# KiCad board Dashboard.kicad_pcb (continued)
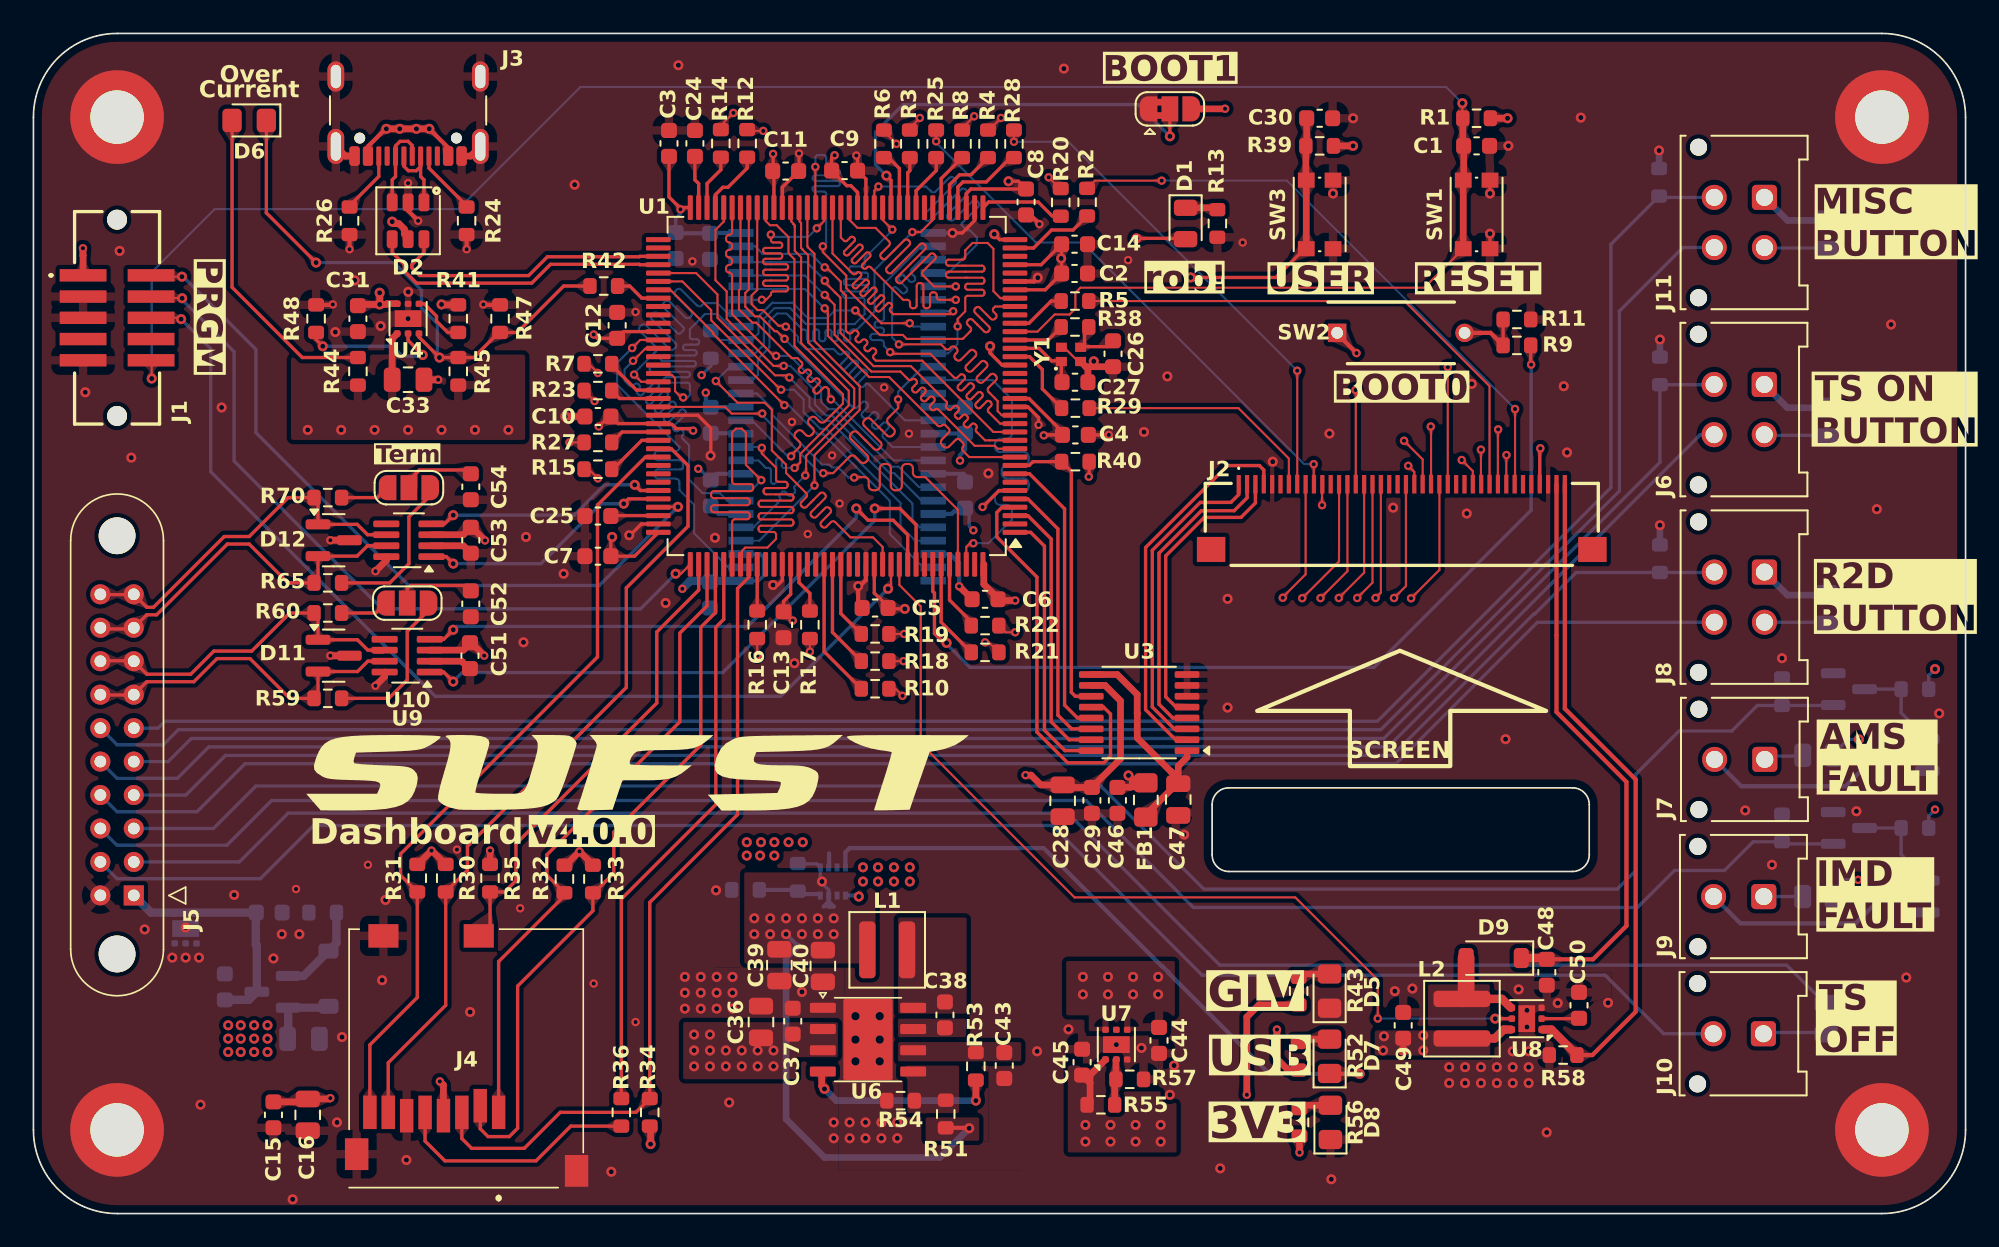
[diagram p0: board, top side]
## Routing (per net, layer and track width the routed paths; a pad name or vN(x,y) marks a point on that pad's centre or on a via; arc(x,y) is an arc through that point) (continued)
/MCU/RAM_D10: length 24.5
  Top w0.125: v2(47.68,48.67) 47.55,48.8 47.55,49.28 47.45,49.37 arc(47.35,49.42) 47.24,49.37 46.93,49.06 arc(46.82,49.01) 46.72,49.06 46.66,49.11 arc(46.62,49.21) 46.66,49.32 46.98,49.64 arc(47.02,49.74) 46.98,49.84 46.93,49.9 arc(46.82,49.94) 46.72,49.9 46.58,49.76 arc(46.47,49.71) 46.37,49.76 46.32,49.81 arc(46.27,49.91) 46.32,50.02 46.46,50.16 arc(46.5,50.26) 46.46,50.37 46.41,50.42 arc(46.3,50.46) 46.2,50.42 46.06,50.28 arc(45.95,50.24) 45.85,50.28 45.79,50.33 arc(45.75,50.44) 45.79,50.54 45.93,50.68 arc(45.98,50.79) 45.93,50.89 45.68,51.14 45.33,51.14 43.22,53.26 42.98,53.26 42.18,54.06 42.18,55.19 42.28,55.28 U1.66
  Bottom w0.125: U2.45 51.43,45.02 47.78,48.67 v2(47.68,48.67)
/MCU/RAM_D11: length 24.5
  Top w0.125: U1.67 41.78,58.69 arc(41.72,58.56) 41.59,58.51 41.59,58.51 arc(41.46,58.46) 41.41,58.33 41.41,58.24 arc(41.46,58.11) 41.59,58.06 41.59,58.06 arc(41.72,58.01) 41.78,57.88 41.78,57.79 arc(41.72,57.66) 41.59,57.61 41.59,57.61 arc(41.46,57.56) 41.41,57.43 41.41,57.34 arc(41.46,57.21) 41.59,57.16 41.59,57.16 arc(41.72,57.11) 41.78,56.98 41.78,56.89 arc(41.72,56.76) 41.59,56.71 41.59,56.71 arc(41.46,56.66) 41.41,56.53 41.41,56.44 arc(41.46,56.31) 41.59,56.26 41.59,56.26 arc(41.72,56.21) 41.78,56.08 41.78,53.77 44.27,51.27 v2(44.41,51.27)
  Bottom w0.125: v2(44.41,51.27) 45.24,51.27 47.1,49.4 47.1,49.26 47.1,49.25 47.1,48.52 47.53,48.09 47.9,48.09 51.34,44.65 51.73,44.65 52.95,43.42 U2.47
/MCU/RAM_D12: length 24.5
  Top w0.125: v2(44.86,50.67) 44.25,50.67 41.45,53.47 41.45,55.12 40.78,55.8 40.78,58.8 41.28,59.3 U1.68
  Bottom w0.125: U2.48 53.1,42.62 51.45,44.27 51.19,44.27 47.74,47.72 47.38,47.72 46.72,48.37 46.72,49.2 45.25,50.67 v2(44.86,50.67)
/MCU/RAM_D13: length 24.4
  Top w0.125: U1.77 39.62,56.22 40.9,54.95 40.9,53.55 44.34,50.11 45.07,50.11 v2(45.2,49.98)
  Bottom w0.125: U2.50 53,41.02 52.55,41.47 52.55,42.45 47.61,47.39 47.24,47.39 47.01,47.62 47,47.62 46.45,48.17 46.45,48.18 46.4,48.23 46.4,48.78 v2(45.2,49.98)
/MCU/RAM_D14: length 24.5
  Top w0.125: U1.78 38.8,55.72 40.52,54 40.52,53.4 44.67,49.25 v2(44.7,49.25)
  Bottom w0.125: v2(44.7,49.25) 45.47,49.25 46.05,48.67 46.05,47.91 47.04,46.91 47.41,46.91 51.85,42.48 51.85,41.11 52.73,40.22 U2.51
/MCU/RAM_D15: length 24.5
  Top w0.125: v2(44.9,48.32) 40.65,52.57 40.65,52.65 38.08,55.22 U1.79
  Bottom w0.125: v2(44.9,48.32) 45.15,48.32 46.89,46.59 47.23,46.59 51.2,42.62 51.2,40.62 53.2,38.62 U2.53
/MCU/RAM_NBL0: length 25.2
  Top w0.125: v2(49.07,44) 49.1,44.03 49.68,44.03 arc(49.87,43.95) 49.95,43.76 49.95,43.51 arc(50.02,43.32) 50.21,43.24 50.34,43.24 arc(50.53,43.32) 50.61,43.51 50.61,44.55 arc(50.68,44.74) 50.87,44.81 51,44.81 arc(51.19,44.74) 51.27,44.55 51.27,43.51 arc(51.34,43.32) 51.53,43.24 51.66,43.24 arc(51.85,43.32) 51.93,43.51 51.93,44.55 arc(52,44.74) 52.19,44.81 52.32,44.81 arc(52.51,44.74) 52.59,44.55 52.59,44.29 arc(52.66,44.1) 52.85,44.03 53.32,44.03 55.28,42.07 U1.141
  Bottom w0.125: v2(49.07,44) 48.73,44 48.11,44.61 47.74,44.61 47.57,44.77 47.15,44.77 44.19,47.73 44.19,48.09 43.26,49.02 U2.15 42.95,49.02
/MCU/RAM_NBL1: length 24.5
  Top w0.125: U1.142 55.78,39.85 56,40.07 v2(56.2,40.07)
  Bottom w0.125: v2(56.2,40.07) 57.1,40.07 58.5,41.47 58.5,42.05 arc(58.41,42.27) 58.18,42.37 57.81,42.37 arc(57.59,42.46) 57.49,42.68 57.49,42.84 arc(57.59,43.06) 57.81,43.16 59.19,43.16 arc(59.41,43.25) 59.51,43.47 59.51,43.63 arc(59.41,43.85) 59.19,43.95 58.2,43.95 arc(57.99,44.03) 57.9,44.25 57.9,44.44 arc(57.99,44.65) 58.2,44.74 59.19,44.74 arc(59.41,44.83) 59.51,45.05 59.51,45.21 arc(59.41,45.43) 59.19,45.53 57.81,45.53 arc(57.59,45.62) 57.49,45.84 57.49,46 arc(57.59,46.22) 57.81,46.32 58.18,46.32 arc(58.41,46.41) 58.5,46.63 58.5,48.67 57.35,49.82 U2.39
/MCU/RAM_RAS: length 24.5
  Top w0.125: U1.49 50.78,59.4 v2(51.35,58.83) 51.4,58.82
  Bottom w0.125: v2(51.35,58.83) 51.35,58.78 49.7,57.12 49.7,56.77 arc(49.66,56.67) 49.55,56.62 48.92,56.62 arc(48.82,56.58) 48.77,56.47 48.77,56.4 arc(48.82,56.29) 48.92,56.25 49.8,56.25 arc(49.87,56.22) 49.9,56.15 49.9,55.97 arc(49.87,55.9) 49.8,55.88 48.61,55.88 arc(48.5,55.83) 48.46,55.72 48.46,55.65 arc(48.5,55.54) 48.61,55.5 49.8,55.5 arc(49.87,55.47) 49.9,55.4 49.9,55.22 arc(49.87,55.15) 49.8,55.12 48.53,55.12 arc(48.42,55.08) 48.38,54.97 48.38,54.9 arc(48.42,54.79) 48.53,54.75 49.55,54.75 arc(49.66,54.71) 49.7,54.6 49.7,54.23 49.7,54.22 49.7,53.78 49.1,53.17 46.2,53.17 45.25,54.12 44.31,54.12 43.68,53.49 43.68,51.95 43.15,51.42 U2.18
/MCU/RAM_WE: length 25
  Top w0.125: U1.43 53.78,59.4 53.05,58.67 v2(52.55,58.67)
  Bottom w0.125: U2.16 43,49.82 43.32,50.14 43.32,51.09 44,51.78 44,53.36 44.44,53.8 45.03,53.8 45.98,52.85 46.1,52.85 arc(46.2,52.81) 46.24,52.7 46.24,52.3 arc(46.29,52.2) 46.39,52.15 46.47,52.15 arc(46.57,52.2) 46.61,52.3 46.61,52.7 arc(46.66,52.81) 46.76,52.85 46.84,52.85 arc(46.94,52.81) 46.98,52.7 46.98,52.3 arc(47.03,52.2) 47.13,52.15 47.21,52.15 arc(47.31,52.2) 47.35,52.3 47.35,52.7 arc(47.4,52.81) 47.5,52.85 47.58,52.85 arc(47.68,52.81) 47.72,52.7 47.72,52.3 arc(47.77,52.2) 47.87,52.15 47.95,52.15 arc(48.05,52.2) 48.09,52.3 48.09,52.7 arc(48.14,52.81) 48.24,52.85 48.32,52.85 arc(48.42,52.81) 48.46,52.7 48.46,52.3 arc(48.51,52.2) 48.61,52.15 48.69,52.15 arc(48.79,52.2) 48.83,52.3 48.83,52.7 arc(48.88,52.81) 48.98,52.85 49.24,52.85 50.03,53.64 50.03,53.65 50.3,53.92 50.3,56.42 v2(52.55,58.67) ; 42.95,49.82 42.6,49.82 42.45,49.67
/MCU/rob_led!: length 13
  Top w0.2: v1(57.45,58.55) 57.78,58.22 U1.36 ; 68.85,58.29 D1.2 68.84,58.3 v1(65.95,58.3)
  In2.Cu w0.2: v1(57.45,58.55) 57.65,58.35 65.9,58.35 v1(65.95,58.3)
/MCU/SD_CARD_DETECT: length 28.2
  Top w0.2: U1.110 39.78,37.27 37.27,34.77 37.27,30.52 28.85,22.1 28.85,19.9 28.18,19.22 R35.1 27.3,17.27 J4.CD1
/MCU/SD_CK: length 34.5
  Top w0.2: R36.2 35.15,18.8 40.8,24.45 40.8,35.05 41.28,35.52 U1.113
/MCU/SD_CMD: length 48.7
  Top w0.2: J4.P3 25.62,4.48 26.2,3.9 29.35,3.9 31.5,6.05 36.03,6.05 R34.1 36.85,18.6 42.1,23.85 42.1,37.37 42.78,38.04 U1.116
/MCU/SD_D0: length 48.3
  Top w0.2: U1.98 38.13,45.72 39.14,44.72 39.14,41.09 35.45,37.4 35.45,31.45 25.95,21.95 25.95,20.52 R30.1 24.65,12.45 21.21,9.01 J4.P7
/MCU/SD_D1: length 47.6
  Top w0.2: U1.99 36.59,45.22 33.73,42.36 33.73,33.28 21.95,21.5 21.95,20.22 R31.1 22.95,12.92 20.12,10.08 J4.P8
/MCU/SD_D2: length 38.8
  Top w0.2: U1.111 40.28,36.32 38.65,34.7 38.65,29.4 30.7,21.45 30.7,20.22 R32.1 31.75,19 27.81,15.06 J4.P1
/MCU/SD_D3: length 42.7
  Top w0.2: J4.P2 26.72,5.07 27.18,4.6 28.45,4.6 28.95,5.1 28.95,13.6 33.45,18.1 R33.1 33.53,19.17 34.7,20.35 34.7,22.8 39.9,28 39.9,35.05 40.78,35.92 U1.112
/MCU/SPI_CS: length 16.5
  Top w0.2: U1.3 59.46,41.72 60.85,40.33 60.85,29.4 61.93,28.32 U3.15
/MCU/SPI_MISO: length 24.5
  Top w0.2: U3.12 63.99,30.27 64.4,29.86 64.4,27.35 64,26.95 61.83,26.95 60,28.78 60,38.05 57.6,40.45 57.6,41.91 57.92,42.22 U1.4
/MCU/SPI_MOSI: length 16.8
  Top w0.2: U3.14 62.08,28.97 61.25,29.8 61.25,40.93 59.46,42.72 U1.5
/MCU/SPI_SCK: length 16.4
  Top w0.2: U1.1 59.62,40.72 60.45,39.9 60.45,28.9 61.68,27.67 U3.16
/MCU/SWCLK: length 45
  Top w0.127: J1.4 7.12,54.73 8.88,54.73 v1(8.89,54.72) ; U1.109 38.71,38.25 v1(38.4,38.25)
  Bottom w0.2: v1(8.89,54.72) 8.89,54.63 12,51.52 12,44.99 20.84,36.15 36.3,36.15 v1(38.4,38.25)
/MCU/SWDIO: length 45.2
  Top w0.127: U1.105 37.39,42.25 v1(38.54,42.25) ; v1(8.88,56.01) 7.11,56.01 J1.2
  Bottom w0.2: v1(38.54,42.25) 33.84,37.55 22.44,37.55 13.3,46.69 13.3,51.66 8.95,56.01 v1(8.88,56.01)
/MCU/SWO: length 61.9
  Top w0.127: U1.133 51.28,37.52 v1(51.1,37.35) ; J1.6 8.75,53.55 v1(8.83,53.47)
  Bottom w0.2: v1(8.83,53.47) 10.6,51.7 10.6,44.35 24.03,30.92 44.67,30.92 v1(51.1,37.35)
/MCU/TOUCH_BUSY: length 17.5
  Top w0.2: 63.25,29.62 62.43,29.62 61.65,30.4 61.65,42.13 59.56,44.22 U1.8
/MCU/TOUCH_IRQ: length 18.2
  Top w0.2: U1.9 59.54,44.72 59.76,44.95 R40.1 62.06,44.37 62.06,31.16 62.29,30.92 63.25,30.92
/MCU/USB_D+: length 18.2
  Top w0.2: D2.4 21.45,57.45 22.18,56.73 22.18,56.36 22.91,55.62 29.79,55.62 30.92,56.75 36.23,56.75 36.26,56.72 U1.76
/MCU/USB_D-: length 17.4
  Top w0.2: D2.6 23.35,57.45 22.62,56.73 22.62,56.54 23.09,56.07 29.61,56.07 30.73,57.2 36.23,57.2 36.26,57.22 U1.75
/MCU/user_button: length 31.8
  Top w0.2: v1(69.19,55.96) 74.29,55.96 76.01,57.68 SW3.1 ; v1(57.2,51.85) 57.2,51.44 57.92,50.72 U1.21
  Top w0.4: C30.2 76.13,63.88 R39.1 76.08,61.8 SW3.1 SW3.1
  In2.Cu w0.2: v1(57.2,51.85) 57.2,52.6 58.6,54 64.4,54 66.37,55.97 69.18,55.97 v1(69.19,55.96)
/Power/FAULT_LED: length 33.9
  Top w0.2: v1(16.9,56.85) 13.92,59.83 D6.1 ; U4.3 23.05,52.4 v1(24.28,51.17) R45.2 26.33,51.17 27.83,52.67 R47.1 28.93,52.67 31.7,55.45 R42.2
  Bottom w0.2: v1(24.28,51.17) 24.15,51.3 24.15,53.2 23.2,54.15 23.2,55.2 21.55,56.85 v1(16.9,56.85)
/Power/USB_LED: length 39.2
  Top w0.254: D7.1 77.53,8.35 v1(79.3,8.35)
  Bottom w0.254: U5.8 48.55,21.6 48.8,21.85 60.4,21.85 67.47,14.78 67.51,14.78 67.88,14.41 67.88,14.37 73.9,8.35 v1(79.3,8.35)
BACKLIGHT_A: length 35.2
  Top w0.25: 91.06,34.58 J2.39
  Top w0.254: 91.06,34.58 91.06,29.98 95.25,25.8 95.25,17.2 93.25,15.2 C48.1
  Top w0.5: 88.96,15.27 90.41,15.28
BACKLIGHT_K: length 40.6
  Top w0.254: J2.40 91.56,30.18 95.8,25.95 95.8,12.06 93.21,9.47 R58.1
  Top w0.5: 92.29,9.48 90.76,11 90.24,11
BACKLIGHT_PWM: length 54.8
  Top w0.127: v2(80.38,11.66) 80.38,13.97 75.45,18.9 62.25,18.9 53.05,28.1 53.05,36.3 51.78,37.57 U1.134
  Top w0.2: U8.5 v1(87.4,11.65)
  Bottom w0.127: v1(87.4,11.65) 80.39,11.65 v2(80.38,11.66)
~{USB_FAULT}: length 2.7
  Top w0.2: U1.80 36.38,54.72 35.65,55.45 R42.1
Net-(C26-Pad1): length 3.1
  Top w0.2: C26.1 64.2,51.82 62.85,51.82 62.85,52.75 R38.2
Net-(D1-K): length 1.9
  Top w0.4: D1.1 70.68,60.13 70.79,60.01
Net-(D2-L1-Pad1): length 5.3
  Top w0.2: D2.1 23.35,61.8 23.15,62 J3.B7 23.15,62.6 22.89,62.34 22.42,62.34 22.15,62.61 J3.A7
Net-(D2-L2-Pad3): length 5.3
  Top w0.2: D2.3 21.45,61.8 21.65,62 J3.B6 21.65,63.83 21.92,64.1 22.4,64.1 22.65,63.85 J3.A6
Net-(D3-A): length 5.5
  Bottom w0.5: Q1.1 16.16,14.21 D3.2 18.12,16.17 R46.2
Net-(D5-A): length 1.9
  Top w0.4: 75.85,14.17 75.65,13.97 ; D5.2 75.85,14.32
Net-(D6-A): length 19.2
  Top w0.2: D6.2 11.88,55.37 16.08,51.17 R44.2
Net-(D7-A): length 1.9
  Top w0.4: D7.2 75.85,10.42 ; 75.85,10.27 75.65,10.07
Net-(D8-A): length 1.9
  Top w0.4: D8.2 75.9,6.47 ; 75.9,6.32 75.7,6.12
Net-(D9-A): length 5.7
  Top w0.5: L2.2 87.8,12.83 88.34,12.3
  Top w1: L2.2 85.66,13.09 85.66,15.27
Net-(J2-Pin_7): length 14.7
  Top w0.125: J2.7 75.06,45.13
  Top w0.127: R29.2 72.05,48.15 75.06,45.13
Net-(J2-Pin_8): length 30.1
  Top w0.125: J2.8 75.56,50.38 v2(75.56,50.39) ; R28.2 v2(58.62,64.07)
  In4.Cu w0.125: 58.68,64.07 v2(58.62,64.07)
  Bottom w0.125: v2(75.56,50.39) 61.88,64.07 58.68,64.07
Net-(J2-Pin_9): length 59.9
  Top w0.125: v2(32.05,46.1) R27.2
  Top w0.127: J2.9 76.06,38.21 74.7,36.85 v2(74.7,36.81)
  In2.Cu w0.125: v2(32.05,46.1) 31.94,45.99 31.94,40.51 37,35.45
  In2.Cu w0.127: 37,35.45 37.7,34.75 50.19,34.75 50.9,35.45 50.9,35.45 73.34,35.45 v2(74.7,36.81)
Net-(J2-Pin_10): length 32.5
  Top w0.125: v2(76.55,44.8) 76.55,43.61 J2.10 ; R25.2 v2(53.97,64.1)
  In4.Cu w0.125: 53.97,64.01 v2(53.97,64.1)
  Bottom w0.125: v2(76.55,44.8) 75.99,44.8 62.72,58.06 59.93,58.06 53.97,64.01
Net-(J2-Pin_11): length 53.5
  Top w0.127: 77.08,42.32 v2(77.05,42.35) 77.05,43.58 J2.11 ; v2(33.55,48.57) R23.2
  In2.Cu w0.127: v2(77.05,42.35) 77.05,42.29 76.31,41.55 51.2,41.55 50.82,41.17 34.58,41.17 32.9,42.85 32.9,47.85 33.55,48.5 v2(33.55,48.57)
Net-(J2-Pin_13): length 26.9
  Top w0.125: R22.2 58.12,34.75 v2(58.7,34.75) ; J2.13 78.06,39.6 78.06,39.6 78.06,38.99 v2(75.86,36.79)
  In2.Cu w0.125: v2(75.86,36.79) 75.76,36.69 75.74,36.69 73.78,34.72 58.72,34.72 v2(58.7,34.75)
Net-(J2-Pin_14): length 29.7
  Top w0.125: J2.14 78.56,38.4 v2(76.96,36.79) ; v2(56.9,34.15) 57.12,34.15 R21.2
  In2.Cu w0.125: v2(56.9,34.15) 74.3,34.15 74.89,34.74 74.9,34.74 v2(76.96,36.79)
Net-(J2-Pin_15): length 30.3
  Top w0.125: v2(60.7,61.95) 61.25,61.4 61.3,61.4 61.43,61.27 ; v2(79.05,49.23) 79.06,49.21 J2.15
  In2.Cu w0.125: v2(79.05,49.23) 67.81,60.47 62.18,60.47 v2(60.7,61.95)
Net-(J2-Pin_16): length 36.1
  Top w0.125: R19.2 v2(52.06,34.65) ; v2(78.05,36.8) 79.56,38.31 J2.16
  In2.Cu w0.125: v2(78.05,36.8) 74.8,33.55 53.16,33.55 v2(52.06,34.65)
Net-(J2-Pin_17): length 36.8
  Top w0.125: R18.2 v2(52.03,33.02) ; J2.17 80.06,37.71 v2(79.15,36.8)
  In2.Cu w0.125: v2(79.15,36.8) 77.1,34.75 77.1,34.74 75.31,32.95 52.1,32.95 v2(52.03,33.02)
Net-(J2-Pin_18): length 43.9
  Top w0.125: R17.2 v2(46.43,33.59) ; v2(80.25,36.8) 80.56,37.11 J2.18
  In2.Cu w0.125: v2(80.25,36.8) 75.8,32.35 47.66,32.35 v2(46.43,33.59)
Net-(J2-Pin_21): length 49
  Top w0.127: v2(81.35,36.8) 82.06,37.52 J2.21 ; v2(43.28,33.36) R16.2
  In2.Cu w0.127: v2(81.35,36.8) 76.2,31.65 44.99,31.65 v2(43.28,33.36)
Net-(J2-Pin_22): length 51.9
  Top w0.127: J2.22 82.56,44.33 v2(82.2,44.7) ; R15.2 33.2,44.5 v2(33.75,43.95)
  In2.Cu w0.127: v2(82.2,44.7) 80.8,44.7 79.1,43 34.7,43 v2(33.75,43.95)
Net-(J2-Pin_23): length 53.3
  Top w0.125: 41.1,64.82 41.1,65.05 v2(41.85,65.8) ; v2(81.95,46.2) 83.06,45.08 J2.23
  In2.Cu w0.125: v2(41.85,65.8) 41.85,65.7 42.41,65.14 42.41,64.05 58.78,47.68 80.47,47.68 v2(81.95,46.2)
Net-(J2-Pin_24): length 52.3
  Top w0.125: J2.24 83.56,47.03 v2(83.55,47.05) ; 42.68,64.82 42.78,64.72 v2(43.64,64.72)
  Top w0.2: 43.54,64.82 v2(43.64,64.72)
  In2.Cu w0.125: v2(43.64,64.72) 47.95,60.41 47.95,59.62 59.1,48.47 82.13,48.47 v2(83.55,47.05)
Net-(J2-Pin_25): length 41.3
  Top w0.125: J2.25 84.06,38.48
  Top w0.127: v2(51.96,30.95) 51.54,31.38 R10.2 ; v2(82.37,36.78) 84.06,38.48
  In2.Cu w0.127: v2(51.96,30.95) 76.54,30.95 v2(82.37,36.78)
Net-(J2-Pin_26): length 43.7
  Top w0.125: 55.53,64.77 55.53,64.88 v2(56.25,65.6) ; 84.56,50.6 v2(84.57,50.61) 84.56,50.6 J2.26
  In2.Cu w0.125: v2(84.57,50.61) 84.56,50.61 84.56,51.59 70.05,66.1 56.75,66.1 v2(56.25,65.6)
Net-(J2-Pin_29): length 56.6
  Top w0.127: v2(33.75,50.25) 33.2,50.8 R7.2 ; v2(85.4,45.05) 86.06,44.38 J2.29
  In2.Cu w0.127: v2(85.4,45.05) 85.35,45.05 84.88,45.52 52,45.52 51.24,46.29 37.71,46.29 v2(33.75,50.25)
Net-(J2-Pin_30): length 45.3
  Top w0.125: 50.83,64.77 50.83,64.72 v2(51.6,63.95) ; 86.56,44.03 86.55,44.05 v2(86.55,45.67)
  In2.Cu w0.125: v2(86.55,45.67) 86.51,45.67 86.51,45.66 69.62,62.55 53,62.55 v2(51.6,63.95)
Net-(J2-Pin_31): length 31.9
  Top w0.127: J2.31 87.06,43.6 87.06,49.47 81.98,54.55 R5.2
Net-(J2-Pin_32): length 41.8
  Top w0.125: 57.08,64.77 57.12,64.77 v2(57.85,65.5) ; J2.32 87.56,43.6 87.56,46.87 v2(87.58,46.88) 87.55,46.85
  In2.Cu w0.125: 58.76,65.5 v2(57.85,65.5)
  In2.Cu w0.127: 58.76,65.5 68.95,65.5 87.57,46.88 v2(87.58,46.88)
Net-(J2-Pin_33): length 46.1
  Top w0.125: v2(88.08,45.34) 88.06,45.33 J2.33 ; v2(53,65.5) 52.4,64.9 52.4,64.77
  In2.Cu w0.125: v2(53,65.5) 53.3,65.5 55.5,63.3 70.12,63.3 v2(88.08,45.34)
Net-(J2-Pin_34): length 35.9
  Top w0.125: R2.2 63.46,61.75 v2(67.46,61.75) ; v2(88.59,48.1) 88.59,43.62 J2.34
  Bottom w0.125: v2(88.59,48.1) 86.7,49.99 86.7,50 74.95,61.75 v2(67.46,61.75)
Net-(J3-CC1): length 4
  Top w0.2: R24.2 25.9,60.25 23.65,62.5 J3.A5
Net-(J3-CC2): length 3.8
  Top w0.2: J3.B5 20.65,62 18.9,60.25 R26.2
Net-(J4-CLK): length 14.8
  Top w0.2: R36.1 32.12,5.22 30.05,3.15 24.6,3.15 23.41,4.34 J4.P5
Net-(J6-Pin_2): length 3.7
  Bottom w0.2: J6.2 103.53,46.52 107.2,46.52
Net-(J7-Pin_1): length 3.1
  Bottom w0.2: 105.88,27.65 105.58,27.35 103.72,27.35 J7.1
  Bottom w0.254: 103.87,26.8 J7.1
Net-(J8-Pin_2): length 3.7
  Bottom w0.2: 107.2,35.42 107.12,35.35 J8.2
Net-(J9-Pin_1): length 2.4
  Bottom w0.2: J9.1 105.88,18.95
Net-(J10-Pin_1): length 3.8
  Bottom w0.2: J10.1 103.52,10.82 107.2,10.82
Net-(J11-Pin_2): length 3.7
  Bottom w0.2: J11.2 103.53,57.72 107.2,57.72
Net-(JP1-A): length 2.9
  Top w0.2: JP1.1 20.46,35.9 R60.2
Net-(JP1-B): length 9.5
  Top w0.2: 18.75,30.82 18.75,30.8 18.75,30.8 ; R59.1 21.25,30.8 22.35,31.9 22.35,34.8 23.65,36.1 JP1.3
Net-(JP1-C): length 4.9
  Top w0.2: C52.1 25.83,37.55 22.55,37.55 22.35,37.35 JP1.2
Net-(JP2-A): length 3
  Top w0.2: JP2.1 20.56,42.8 R70.2
Net-(JP2-B): length 9.6
  Top w0.2: R65.1 21.3,37.7 22.45,38.85 22.45,41.65 23.75,42.95 JP2.3
Net-(JP2-C): length 4.5
  Top w0.2: 26.15,44.13 25.83,44.45 23.07,44.45 22.45,43.83 JP2.2
Net-(Q2-G): length 5.8
  Bottom w0.2: Q2.1 111.68,29.92 R61.2 Q4.3
Net-(Q3-G): length 6
  Bottom w0.2: Q5.3 R62.2 111.68,21.46 Q3.1
Net-(SW2-B): length 4.2
  Top w0.2: R11.1 R9.2
  Top w0.254: R9.2 87.12,52.65 SW2.2
Net-(U1-VCAP_1): length 3.6
  Top w0.127: 39.69,60.22 U1.71
  Top w0.2: 39.78,63 39.55,63.22 39.55,61.8 39.78,61.57 U1.71
Net-(U1-VCAP_2): length 2.8
  Top w0.2: U1.106 34.55,41.72 C25.1
Net-(U4-EN): length 3.2
  Top w0.2: U4.4 23.36,54.39 24.1,53.65 24.1,53.35 24.78,52.67 R41.1
Net-(U4-ILIM): length 8.9
  Top w0.2: R48.2 16.9,52.25 v1(17.3,51.85) ; v1(23.28,51.33) 22.4,52.2 U4.2
  Bottom w0.2: v1(17.3,51.85) 21.45,51.85 22.05,51.25 23.2,51.25 v1(23.28,51.33)
Net-(U5-PR1): length 3.8
  Bottom w0.254: R50.2 45.55,19.35 45.8,19.1 46.96,19.1 U5.4
Net-(U7-FB): length 2.7
  Top w0.4: 64.75,9.2 64.72,9.17 R57.1 64.65,7.95 R55.2
Net-(U8-COMP): length 2
  Top w0.2: 92.19,11.65 90.18,11.65
unconnected-(R53-Pad1): length 11.5
  Top w0.4: v1(56.35,6.75) 56.35,7.72 56.35,7.72 ; v1(47.3,7.45) 47.13,7.62 47.13,8.55
  Bottom w0.4: v1(56.35,6.75) 48,6.75 v1(47.3,7.45)

## Copper pours and planes (outline as drawn; the poured copper is in the pictures)
+3V3 on Top: 68.35,3.65 61.85,3.65 61.85,8.85 64.16,8.85 64.16,7.3 68.35,7.3
+3V3 on In3.Cu: -1.4,71.95 -1.4,-1.55 117,-1.55 117.2,72.15
+5V on Top: 68.25,10.9 63.1,10.9 63.1,11.85 61.75,11.85 61.75,15.1 68.25,15.1
+5V on Top: 80.2,10.95 80.2,9.45 87.1,9.45 87.1,10.95
+5V on Bottom: 47.85,21.45 52.85,21.45 52.85,18.7 47.85,18.7
+5V on Bottom: 47.85,19.3 47.85,21.45 48.3,21.45 48.3,20.8 52.3,20.8 52.3,19.8 48.3,19.8 48.3,19.3
+5V on In2.Cu: 47.9,28.1 47.9,14.35 59.65,14.35 59.65,9.35 96.6,9.35 96.6,28.1
+5V_REG on Top: 53.35,5.75 56.55,5.75 56.55,4.35 53.35,4.35
+5V_REG on Top: 42.5,20.4 50.35,20.4 50.35,14.95 42.5,14.95
+5V_REG on Bottom: 42.5,20.4 50.35,20.4 50.35,14.9 42.5,14.9
+5V_USB on In2.Cu: 29.4,52.05 15.4,52.05 15.4,65.65 29.4,65.65
+5V_USB_PROT on Top: 29.4,51.35 15.4,51.35 15.4,46.25 29.4,46.25
+5V_USB_PROT on Bottom: 44.85,21.55 44.85,20.95 42.2,20.95 42.2,22.65 47.7,22.65 47.7,20.45 47,20.45 47,21.55
+5V_USB_PROT on In2.Cu: 47.15,20.55 47.15,28.1 29.4,28.1 29.4,51.35 15.4,51.35 15.4,14.35 41.65,14.35 41.65,20.55
/Power/VCC on Top: 51.7,10.25 59.06,10.25 59.06,9.1 51.7,9.1
GND on Top: 40.7,14.7 48.5,14.7 48.5,12.95 52,12.95 52,5.75 53.25,5.75 53.25,4.25 57.1,4.3 57.1,8.8 59.05,8.85 59.05,2.55 48.15,2.55 48.15,11.7 40.7,11.7
GND on Top: 88.79,10.6 87.36,10.6 87.36,7.77 91.44,7.77 91.46,10.6 89.79,10.6 89.79,12.05 90.61,12.05 92.71,12.55 94.36,12.96 94.36,14.4 88.16,14.4 88.16,12.75 88.79,12.75
GND on Top: 62.75,10.61 67.28,10.65 67.28,8.5 62.75,8.5
GND on Top, Bottom, In1.Cu, In4.Cu: -0.8,71.45 -0.5,-0.65 116.2,-0.55 116.3,71.35
GND on In2.Cu: 96.6,28.6 96.6,71.07 29.9,70.98 29.9,28.6
+GLV_PROT on Top: 38.85,11.45 48.1,11.43 48.1,9.35 45.65,9.35 45.65,8.03 38.85,8.03
+GLV_PROT on Bottom: 15.94,9.21 11.19,9.21 11.19,11.76 15.94,11.76
+GLV_PROT on In2.Cu: -0.1,13.35 -0.1,-0.55 116.21,-0.55 116.01,71.55 98.05,71.57 98.05,8 58.5,8 58.5,13.35
/Power/FB on Top: 55.35,8.95 55.35,5.95 52.15,5.95 52.15,8.95
/Power/SW on Top: 55.8,17.7 55.8,11.95 51.7,11.95 51.7,17.7
Net-(D9-A) on Top: 83.38,13.7 87.08,13.7 87.08,10.85 83.38,10.85
Net-(U6-BOOT) on Top: 51.69,11.65 55.76,11.65 55.76,10.55 51.7,10.55

Small or netless copper shapes (teardrops, artwork), in the pictures only: 602 on Top, 251 on Bottom, 40 on In2.Cu

## Text on the board
B.Silkscreen: PIN2 = GND | PIN1 = +GLV | CAN / H L | SCREEN
User.Comments: This is the outline of the screen
F.Silkscreen: SCREEN | Term | Current | Over | Dashboard | v4.0.0 | BOOT1 | rob! | USER | BOOT0 | RESET | PRGM | R2D / BUTTON | MISC / BUTTON | TS ON / BUTTON | IMD / FAULT | TS / OFF | AMS / FAULT | GLV | USB | 3V3
